# KiCad board SparkFun_Pro_Mini-ESP32_panelized.kicad_pcb (continued)
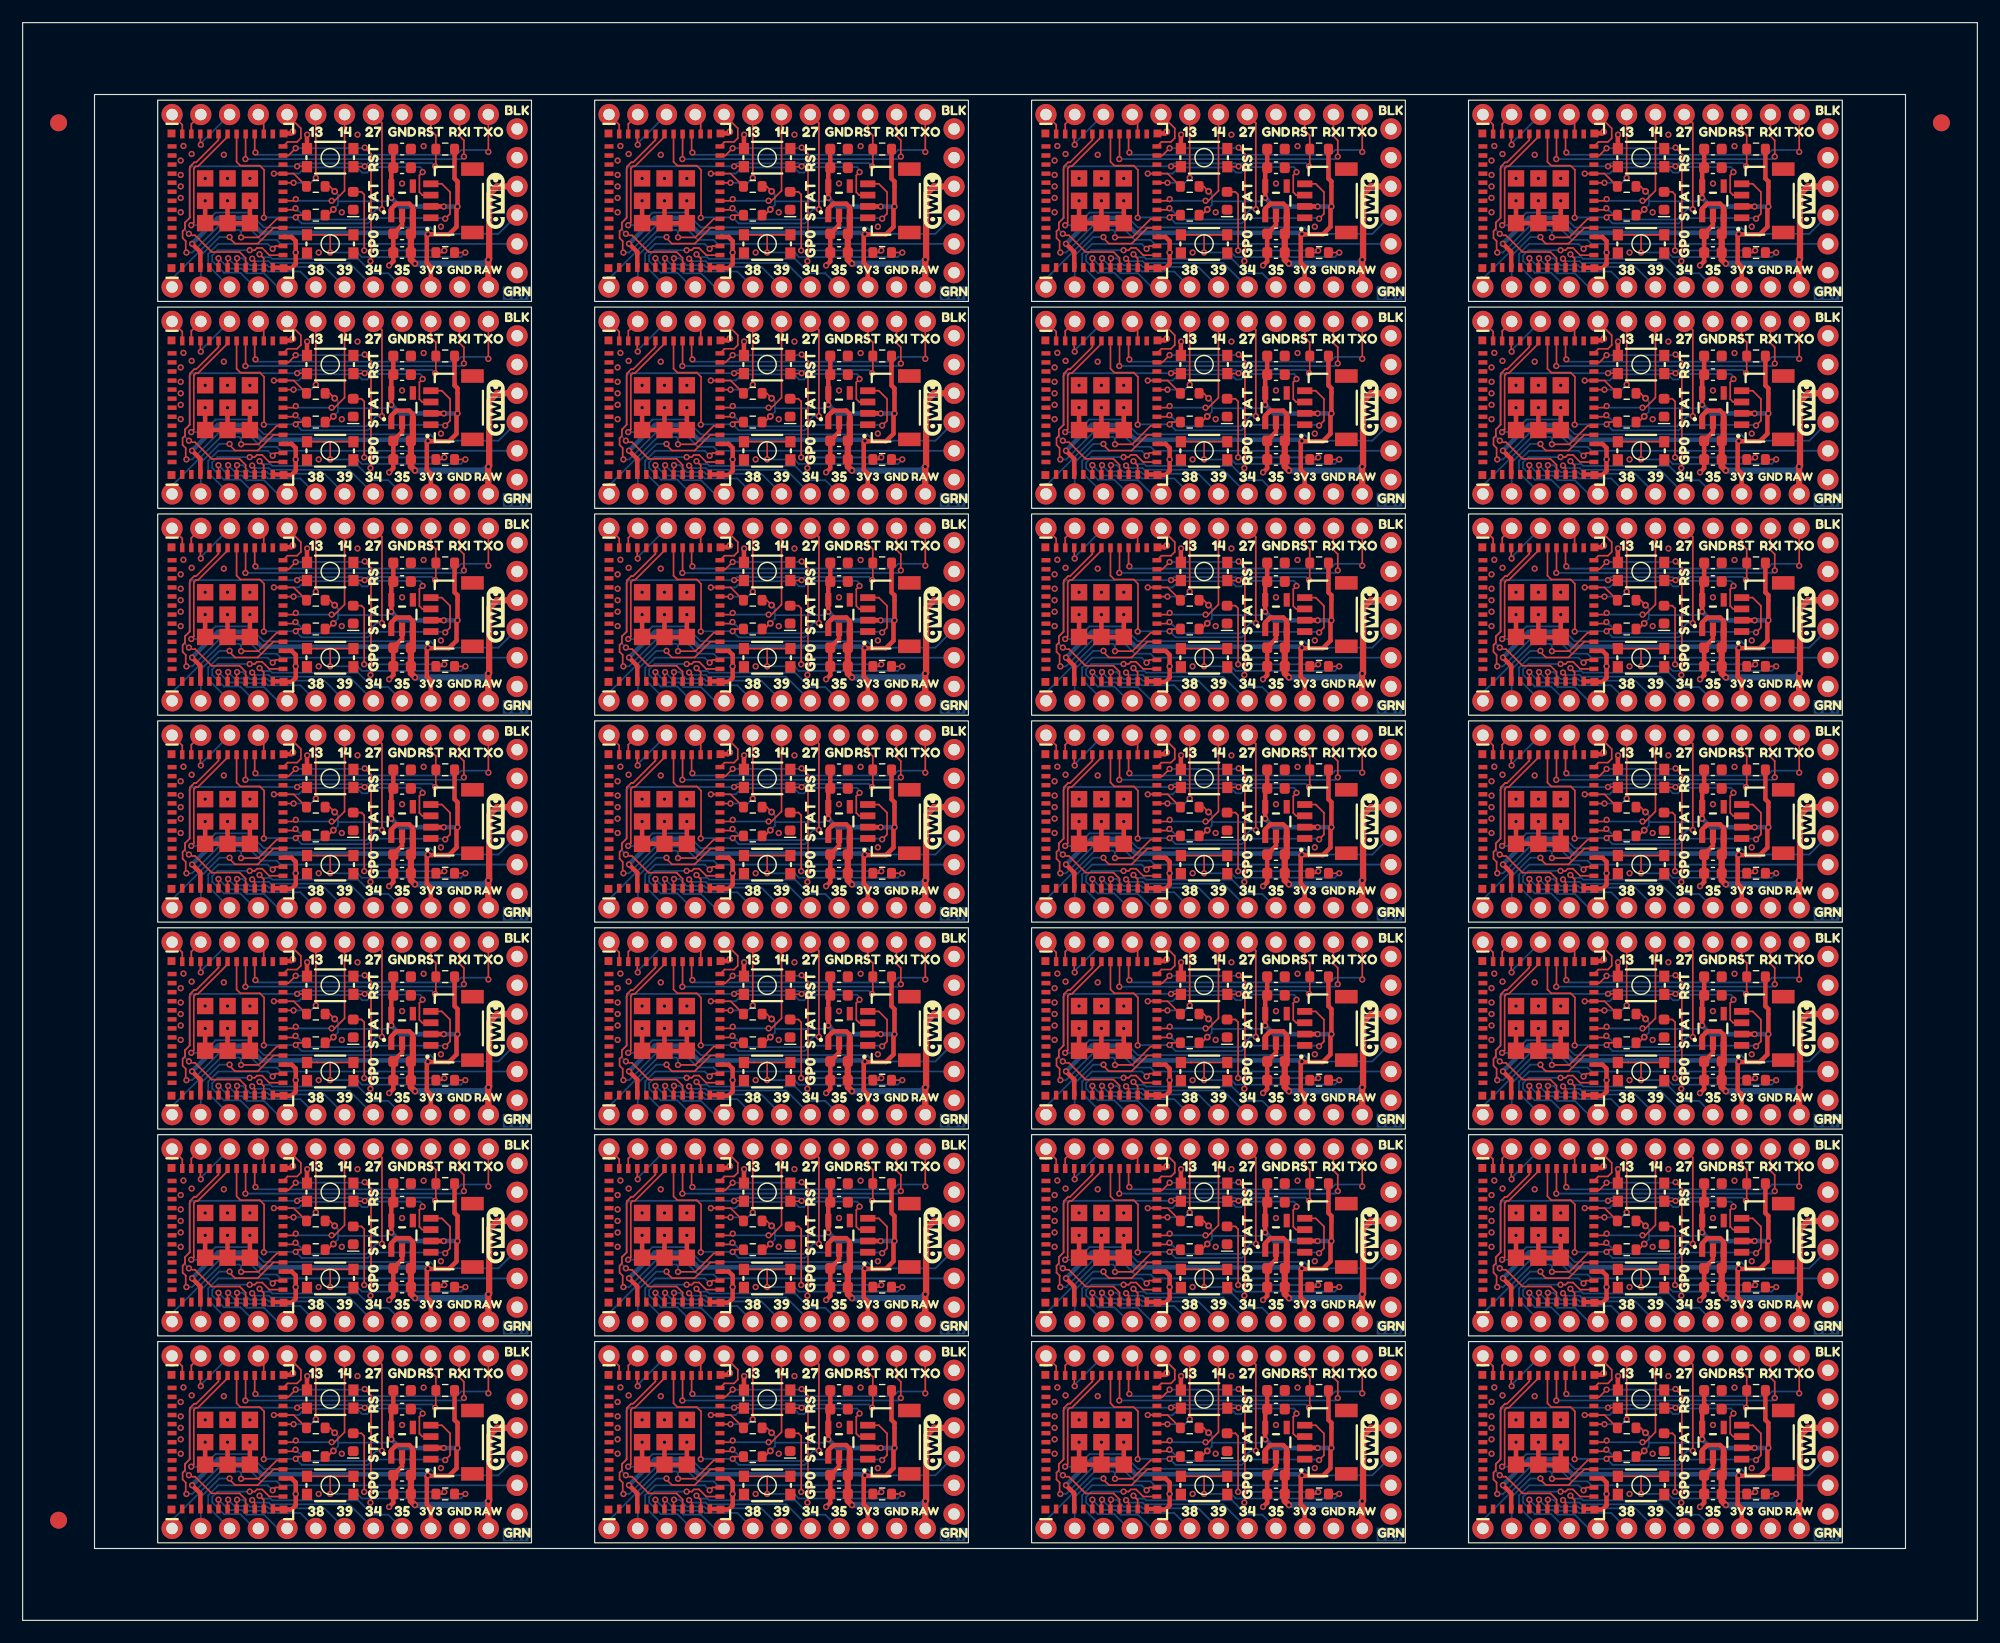
[diagram p0: board, top side]
## Routing (per net, layer and track width the routed paths; a pad name or vN(x,y) marks a point on that pad's centre or on a via; arc(x,y) is an arc through that point) (continued)
VCC: length 717.6
  Top w0.406: U2#6.3 73.07,124.85 72.76,125.17 71.63,125.17 71.45,124.99 71.44,124.99 71.17,124.72 U2#6.1 ; U2#22.3 150.27,124.85 149.96,125.17 148.83,125.17 148.65,124.99 148.64,124.99 148.37,124.72 U2#22.1 ; U2#9.3 150.27,70.01 149.96,70.33 148.83,70.33 148.65,70.15 148.64,70.15 148.37,69.88 U2#9.1 ; U2#15.1 109.77,69.88 110.04,70.15 110.05,70.15 110.23,70.33 111.36,70.33 111.67,70.01 U2#15.3 ; U2#10.3 34.47,15.17 34.16,15.49 33.03,15.49 32.85,15.31 32.84,15.31 32.57,15.04 U2#10.1 ; U2#13.3 34.47,124.85 34.16,125.17 33.03,125.17 32.85,124.99 32.84,124.99 32.57,124.72 U2#13.1 ; U2#8.1 148.37,15.04 148.64,15.31 148.65,15.31 148.83,15.49 149.96,15.49 150.27,15.17 U2#8.3 ; U2#5.3 34.47,70.01 34.16,70.33 33.03,70.33 32.85,70.15 32.84,70.15 32.57,69.88 U2#5.1 ; U2#25.3 34.47,88.29 34.16,88.61 33.03,88.61 32.85,88.43 32.84,88.43 32.57,88.16 U2#25.1 ; U2#11.1 148.37,106.44 148.64,106.71 148.65,106.71 148.83,106.89 149.96,106.89 150.27,106.57 U2#11.3 ; U2#14.3 34.47,106.57 34.16,106.89 33.03,106.89 32.85,106.71 32.84,106.71 32.57,106.44 U2#14.1 ; U2#27.1 148.37,88.16 148.64,88.43 148.65,88.43 148.83,88.61 149.96,88.61 150.27,88.29 U2#27.3 ; U2#2.1 71.17,15.04 71.44,15.31 71.45,15.31 71.63,15.49 72.76,15.49 73.07,15.17 U2#2.3 ; U2#7.3 150.27,51.73 149.96,52.05 148.83,52.05 148.65,51.87 148.64,51.87 148.37,51.6 U2#7.1 ; U2#19.3 111.67,15.17 111.36,15.49 110.23,15.49 110.05,15.31 110.04,15.31 109.77,15.04 U2#19.1 ; U2#20.3 111.67,106.57 111.36,106.89 110.23,106.89 110.05,106.71 110.04,106.71 109.77,106.44 U2#20.1 ; U2#24.1 71.17,88.16 71.44,88.43 71.45,88.43 71.63,88.61 72.76,88.61 73.07,88.29 U2#24.3 ; U2#28.3 150.27,33.45 149.96,33.77 148.83,33.77 148.65,33.59 148.64,33.59 148.37,33.32 U2#28.1 ; U2#21.1 71.17,51.6 71.44,51.87 71.45,51.87 71.63,52.05 72.76,52.05 73.07,51.73 U2#21.3 ; U2#3.1 71.17,106.44 71.44,106.71 71.45,106.71 71.63,106.89 72.76,106.89 73.07,106.57 U2#3.3 ; U2#18.1 109.77,51.6 110.04,51.87 110.05,51.87 110.23,52.05 111.36,52.05 111.67,51.73 U2#18.3 ; U2#26.3 73.07,33.45 72.76,33.77 71.63,33.77 71.45,33.59 71.44,33.59 71.17,33.32 U2#26.1 ; U2#4.1 109.77,33.32 110.04,33.59 110.05,33.59 110.23,33.77 111.36,33.77 111.67,33.45 U2#4.3 ; U2#17.3 111.67,124.85 111.36,125.17 110.23,125.17 110.05,124.99 110.04,124.99 109.77,124.72 U2#17.1 ; U2#12.3 73.07,70.01 72.76,70.33 71.63,70.33 71.45,70.15 71.44,70.15 71.17,69.88 U2#12.1 ; U2.1 109.77,88.16 110.04,88.43 110.05,88.43 110.23,88.61 111.36,88.61 111.67,88.29 U2.3 ; U2#16.3 34.47,33.45 34.16,33.77 33.03,33.77 32.85,33.59 32.84,33.59 32.57,33.32 U2#16.1 ; U2#23.3 34.47,51.73 34.16,52.05 33.03,52.05 32.85,51.87 32.84,51.87 32.57,51.6 U2#23.1
  Top w0.559: U2#22.3 150.27,122.67 C1#4.1 C2#8.1 150.09,120.24 v2(150.46,119.87) ; v2(34.66,46.75) 34.3,47.12 C2#12.1 C1#18.1 34.47,49.55 U2#23.3 ; J2#9.12 v2(41.14,47.09) 41.21,47.17 41.21,52.88 41.9,53.57 J1#3.4 ; U2#25.3 34.47,86.11 C1#17.1 C2#2.1 34.3,83.68 v2(34.66,83.31) ; v2(34.66,65.03) 34.3,65.4 C2#4.1 C1#27.1 34.47,67.83 U2#5.3 ; U2#6.3 73.07,122.67 C1.1 C2#14.1 72.89,120.24 v2(73.26,119.87) ; U2#14.3 34.47,104.39 C1#13.1 C2#25.1 34.3,101.96 v2(34.66,101.59) ; v2(73.26,10.19) 72.89,10.56 C2#13.1 C1#11.1 73.07,12.99 U2#2.3 ; U2#27.3 150.27,86.11 C1#20.1 C2#26.1 150.09,83.68 v2(150.46,83.31) ; J2#18.12 v2(118.34,47.09) 118.41,47.17 118.41,52.88 119.1,53.57 J1#14.4 ; J1#24.4 119.1,35.29 118.41,34.6 118.41,28.89 v2(118.34,28.81) J2.12 ; J1#10.4 119.1,126.69 118.41,126 118.41,120.29 v2(118.34,120.21) J2#17.12 ; J1#19.4 157.7,71.85 157.01,71.16 157.01,65.45 v2(156.94,65.37) J2#3.12 ; v2(34.66,119.87) 34.3,120.24 C2#5.1 C1#24.1 34.47,122.67 U2#13.3 ; J1#15.4 157.7,53.57 157.01,52.88 157.01,47.17 v2(156.94,47.09) J2#13.12 ; v2(73.26,28.47) 72.89,28.84 C2#16.1 C1#14.1 73.07,31.27 U2#26.3 ; J1#6.4 80.5,90.13 79.81,89.44 79.81,83.73 v2(79.74,83.65) J2#21.12 ; J2#2.12 v2(79.74,28.81) 79.81,28.89 79.81,34.6 80.5,35.29 J1.4 ; U2#24.3 73.07,86.11 C1#23.1 C2#20.1 72.89,83.68 v2(73.26,83.31) ; U2#10.3 34.47,12.99 C1#10.1 C2#23.1 34.3,10.56 v2(34.66,10.19) ; v2(73.26,46.75) 72.89,47.12 C2#10.1 C1#19.1 73.07,49.55 U2#21.3 ; J1#25.4 80.5,71.85 79.81,71.16 79.81,65.45 v2(79.74,65.37) J2#25.12 ; v2(73.26,101.59) 72.89,101.96 C2#15.1 C1#15.1 73.07,104.39 U2#3.3 ; J1#12.4 80.5,53.57 79.81,52.88 79.81,47.17 v2(79.74,47.09) J2#23.12 ; J1#16.4 157.7,17.01 157.01,16.32 157.01,10.61 v2(156.94,10.53) J2#10.12 ; J2#11.12 v2(41.14,83.65) 41.21,83.73 41.21,89.44 41.9,90.13 J1#20.4 ; U2#19.3 111.67,12.99 111.49,12.82 111.49,10.56 v2(111.86,10.19) ; J2#28.12 v2(156.94,83.65) 157.01,83.73 157.01,89.44 157.7,90.13 J1#17.4 ; J2#8.12 v2(79.74,10.53) 79.81,10.61 79.81,16.32 80.5,17.01 J1#5.4 ; v2(111.86,119.87) 111.49,120.24 111.49,122.5 111.67,122.67 U2#17.3 ; v2(150.46,10.19) 150.09,10.56 C2#18.1 C1#6.1 150.27,12.99 U2#8.3 ; U2.3 111.67,86.11 111.49,85.94 111.49,83.68 v2(111.86,83.31) ; U2#18.3 111.67,49.55 111.49,49.38 111.49,47.12 v2(111.86,46.75) ; v2(111.86,28.47) 111.49,28.84 111.49,31.1 111.67,31.27 U2#4.3 ; U2#28.3 150.27,31.27 C1#8.1 C2#22.1 150.09,28.84 v2(150.46,28.47) ; J2#24.12 v2(118.34,101.93) 118.41,102.01 118.41,107.72 119.1,108.41 J1#13.4 ; J1#7.4 157.7,126.69 157.01,126 157.01,120.29 v2(156.94,120.21) J2#26.12 ; J1#27.4 41.9,71.85 41.21,71.16 41.21,65.45 v2(41.14,65.37) J2#22.12 ; J1#22.4 119.1,90.13 118.41,89.44 118.41,83.73 v2(118.34,83.65) J2#16.12 ; J2#7.12 v2(41.14,101.93) 41.21,102.01 41.21,107.72 41.9,108.41 J1#4.4 ; J2#5.12 v2(118.34,10.53) 118.41,10.61 118.41,16.32 119.1,17.01 J1#18.4 ; J2#4.12 v2(79.74,120.21) 79.81,120.29 79.81,126 80.5,126.69 J1#23.4 ; U2#7.3 150.27,49.55 C1#5.1 C2#9.1 150.09,47.12 v2(150.46,46.75) ; J2#15.12 v2(41.14,28.81) 41.21,28.89 41.21,34.6 41.9,35.29 J1#8.4 ; v2(111.86,65.03) 111.49,65.4 111.49,67.66 111.67,67.83 U2#15.3 ; J2#19.12 v2(79.74,101.93) 79.81,102.01 79.81,107.72 80.5,108.41 J1#9.4 ; J2#6.12 v2(41.14,120.21) 41.21,120.29 41.21,126 41.9,126.69 J1#21.4 ; J2#12.12 v2(156.94,28.81) 157.01,28.89 157.01,34.6 157.7,35.29 J1#26.4 ; J1#28.4 119.1,71.85 118.41,71.16 118.41,65.45 v2(118.34,65.37) J2#14.12 ; v2(150.46,101.59) 150.09,101.96 C2#6.1 C1#2.1 150.27,104.39 U2#11.3 ; v2(73.26,65.03) 72.89,65.4 C2#17.1 C1#7.1 73.07,67.83 U2#12.3 ; v2(150.46,65.03) 150.09,65.4 C2#28.1 C1#26.1 150.27,67.83 U2#9.3 ; J1#11.4 41.9,17.01 41.21,16.32 41.21,10.61 v2(41.14,10.53) J2#20.12 ; v2(111.86,101.59) 111.49,101.96 111.49,104.22 111.67,104.39 U2#20.3 ; v2(34.66,28.47) 34.3,28.84 C2#24.1 C1#22.1 34.47,31.27 U2#16.3 ; J2#27.12 v2(156.94,101.93) 157.01,102.01 157.01,107.72 157.7,108.41 J1#2.4
  Bottom w0.559: v2(118.34,65.37) 117.99,65.03 v2(111.86,65.03) ; v2(156.94,120.21) 156.59,119.87 v2(150.46,119.87) ; v2(150.46,10.19) 156.59,10.19 v2(156.94,10.53) ; v2(73.26,83.31) 79.39,83.31 v2(79.74,83.65) ; v2(41.14,83.65) 40.8,83.31 v2(34.66,83.31) ; v2(73.26,10.19) 79.39,10.19 v2(79.74,10.53) ; v2(156.94,65.37) 156.59,65.03 v2(150.46,65.03) ; v2(111.86,119.87) 117.99,119.87 v2(118.34,120.21) ; v2(111.86,101.59) 117.99,101.59 v2(118.34,101.93) ; v2(73.26,28.47) 79.39,28.47 v2(79.74,28.81) ; v2(111.86,46.75) 117.99,46.75 v2(118.34,47.09) ; v2(150.46,46.75) 156.59,46.75 v2(156.94,47.09) ; v2(34.66,10.19) 40.8,10.19 v2(41.14,10.53) ; v2(150.46,101.59) 156.59,101.59 v2(156.94,101.93) ; v2(150.46,28.47) 156.59,28.47 v2(156.94,28.81) ; v2(118.34,10.53) 117.99,10.19 v2(111.86,10.19) ; v2(118.34,83.65) 117.99,83.31 v2(111.86,83.31) ; v2(41.14,47.09) 40.8,46.75 v2(34.66,46.75) ; v2(79.74,101.93) 79.39,101.59 v2(73.26,101.59) ; v2(34.66,65.03) 40.8,65.03 v2(41.14,65.37) ; v2(79.74,47.09) 79.39,46.75 v2(73.26,46.75) ; v2(34.66,101.59) 40.8,101.59 v2(41.14,101.93) ; v2(34.66,119.87) 40.8,119.87 v2(41.14,120.21) ; v2(150.46,83.31) 156.59,83.31 v2(156.94,83.65) ; v2(73.26,119.87) 79.39,119.87 v2(79.74,120.21) ; v2(41.14,28.81) 40.8,28.47 v2(34.66,28.47) ; v2(111.86,28.47) 117.99,28.47 v2(118.34,28.81) ; v2(79.74,65.37) 79.39,65.03 v2(73.26,65.03)
ESP_0/STAT: length 1037.8
  Top w0.152: v2(69.33,46.97) 69.37,47.01 69.37,56.44 v2(68.82,57) ; U1#18.23 23.48,129.42 v2(24.12,130.06) ; R2#23.1 v2(116.31,84.29) ; v2(146.02,38.72) 146.57,38.16 146.57,28.73 v2(146.53,28.69) ; R2#16.1 v2(154.91,66.01) ; SW2#16.1 142.97,31.01 ; 142.97,31.01 SW2#16.1 ; 142.97,31.01 v2(142.97,29.45) ; 104.37,67.57 SW2#7.1 ; 104.37,67.57 SW2#7.1 ; 104.37,67.57 v2(104.37,66.01) ; SW2#8.1 104.37,31.01 ; 104.37,31.01 SW2#8.1 ; 104.37,31.01 v2(104.37,29.45) ; v2(107.93,65.25) 107.97,65.29 107.97,74.72 v2(107.42,75.28) ; v2(30.73,46.97) 30.77,47.01 30.77,56.44 v2(30.22,57) ; SW2#13.1 27.17,122.41 ; v2(68.82,20.44) 69.37,19.88 69.37,10.45 v2(69.33,10.41) ; SW2#12.1 27.17,85.85 ; v2(30.73,120.09) 30.77,120.13 30.77,129.56 v2(30.22,130.12) ; v2(146.53,83.53) 146.57,83.57 146.57,93 v2(146.02,93.56) ; v2(65.77,47.73) 65.77,49.29 ; 65.77,49.29 SW2#18.1 ; 65.77,49.29 SW2#18.1 ; v2(139.92,111.78) 139.28,111.14 U1#19.23 ; v2(27.17,11.17) 27.17,12.73 ; 27.17,12.73 SW2#15.1 ; 27.17,12.73 SW2#15.1 ; v2(107.93,28.69) 107.97,28.73 107.97,38.16 v2(107.42,38.72) ; v2(107.42,20.44) 107.97,19.88 107.97,10.45 v2(107.93,10.41) ; R2#14.1 v2(154.91,120.85) ; v2(101.32,93.5) 100.68,92.86 U1#13.23 ; U1#22.23 100.68,19.74 v2(101.32,20.38) ; v2(142.97,120.85) 142.97,122.41 ; 142.97,122.41 SW2#23.1 ; 142.97,122.41 SW2#23.1 ; v2(142.97,84.29) 142.97,85.85 ; 142.97,85.85 SW2#10.1 ; 142.97,85.85 SW2#10.1 ; SW2#4.1 104.37,85.85 ; 104.37,85.85 v2(104.37,84.29) ; 104.37,85.85 SW2#4.1 ; v2(30.73,10.41) 30.77,10.45 30.77,19.88 v2(30.22,20.44) ; SW2#20.1 104.37,12.73 ; U1#28.23 23.48,56.3 v2(24.12,56.94) ; U1#7.23 139.28,56.3 v2(139.92,56.94) ; v2(101.32,111.78) 100.68,111.14 U1#11.23 ; R2#22.1 v2(116.31,29.45) ; v2(65.77,120.85) 65.77,122.41 ; 65.77,122.41 SW2#19.1 ; 65.77,122.41 SW2#19.1 ; U1#14.23 100.68,129.42 v2(101.32,130.06) ; v2(142.97,102.57) 142.97,104.13 ; 142.97,104.13 SW2#6.1 ; 142.97,104.13 SW2#6.1 ; v2(139.92,130.06) 139.28,129.42 U1#9.23 ; U1#10.23 100.68,74.58 v2(101.32,75.22) ; R2#9.1 v2(77.71,47.73) ; 27.17,67.57 SW2#27.1 ; 27.17,67.57 SW2#27.1 ; 27.17,67.57 v2(27.17,66.01) ; R2#28.1 v2(39.11,66.01) ; SW2#11.1 104.37,122.41 ; 104.37,122.41 SW2#11.1 ; 104.37,122.41 v2(104.37,120.85) ; v2(62.72,56.94) 62.08,56.3 U1#20.23 ; v2(107.93,83.53) 107.97,83.57 107.97,93 v2(107.42,93.56) ; 142.97,49.29 SW2#3.1 ; 142.97,49.29 v2(142.97,47.73) ; 142.97,49.29 SW2#3.1 ; 27.17,31.01 SW2#28.1 ; 27.17,31.01 v2(27.17,29.45) ; 27.17,31.01 SW2#28.1 ; U1#21.23 62.08,111.14 v2(62.72,111.78) ; U1#26.23 139.28,19.74 v2(139.92,20.38) ; SW2#24.1 142.97,67.57 ; 142.97,67.57 v2(142.97,66.01) ; 142.97,67.57 SW2#24.1 ; R2.1 v2(77.71,11.17) ; v2(146.02,75.28) 146.57,74.72 146.57,65.29 v2(146.53,65.25) ; R2#17.1 v2(77.71,84.29) ; R2#24.1 v2(39.11,84.29) ; v2(30.22,38.72) 30.77,38.16 30.77,28.73 v2(30.73,28.69) ; R2#6.1 v2(116.31,66.01) ; R2#26.1 v2(154.91,11.17) ; v2(68.82,75.28) 69.37,74.72 69.37,65.29 v2(69.33,65.25) ; SW2#20.1 104.37,12.73 ; 104.37,12.73 v2(104.37,11.17) ; 27.17,104.13 SW2#5.1 ; 27.17,104.13 v2(27.17,102.57) ; 27.17,104.13 SW2#5.1 ; R2#2.1 v2(39.11,29.45) ; 65.77,12.73 SW2#21.1 ; 65.77,12.73 v2(65.77,11.17) ; 65.77,12.73 SW2#21.1 ; 65.77,31.01 SW2#9.1 ; 65.77,31.01 SW2#9.1 ; 65.77,31.01 v2(65.77,29.45) ; 65.77,67.57 SW2#14.1 ; 65.77,67.57 SW2#14.1 ; 65.77,67.57 v2(65.77,66.01) ; v2(107.42,130.12) 107.97,129.56 107.97,120.13 v2(107.93,120.09) ; U1#16.23 62.08,92.86 v2(62.72,93.5) ; U1#8.23 100.68,38.02 v2(101.32,38.66) ; v2(146.53,10.41) 146.57,10.45 146.57,19.88 v2(146.02,20.44) ; R2#10.1 v2(77.71,120.85) ; SW2#12.1 27.17,85.85 ; 27.17,85.85 v2(27.17,84.29) ; SW2#25.1 142.97,12.73 ; 142.97,12.73 SW2#25.1 ; 142.97,12.73 v2(142.97,11.17) ; 65.77,104.13 SW2#22.1 ; 65.77,104.13 v2(65.77,102.57) ; 65.77,104.13 SW2#22.1 ; SW2#26.1 104.37,49.29 ; 104.37,49.29 SW2#26.1 ; 104.37,49.29 v2(104.37,47.73) ; R2#13.1 v2(154.91,102.57) ; v2(146.53,101.81) 146.57,101.85 146.57,111.28 v2(146.02,111.84) ; v2(65.77,84.29) 65.77,85.85 ; 65.77,85.85 SW2.1 ; 65.77,85.85 SW2.1 ; v2(62.72,38.66) 62.08,38.02 U1#17.23 ; v2(30.73,65.25) 30.77,65.29 30.77,74.72 v2(30.22,75.28) ; v2(139.92,38.66) 139.28,38.02 U1#27.23 ; v2(62.72,20.38) 62.08,19.74 U1#4.23 ; U1#24.23 23.48,74.58 v2(24.12,75.22) ; SW2#17.1 104.37,104.13 ; 104.37,104.13 v2(104.37,102.57) ; 104.37,104.13 SW2#17.1 ; U1#5.23 100.68,56.3 v2(101.32,56.94) ; v2(24.12,111.78) 23.48,111.14 U1#6.23 ; v2(24.12,20.38) 23.48,19.74 U1.23 ; R2#20.1 v2(154.91,47.73) ; v2(146.02,130.12) 146.57,129.56 146.57,120.13 v2(146.53,120.09) ; v2(68.82,130.12) 69.37,129.56 69.37,120.13 v2(69.33,120.09) ; 27.17,122.41 SW2#13.1 ; 27.17,122.41 v2(27.17,120.85) ; v2(30.22,93.56) 30.77,93 30.77,83.57 v2(30.73,83.53) ; 27.17,49.29 SW2#2.1 ; 27.17,49.29 v2(27.17,47.73) ; 27.17,49.29 SW2#2.1 ; R2#21.1 v2(116.31,11.17) ; v2(68.82,93.56) 69.37,93 69.37,83.57 v2(69.33,83.53) ; R2#4.1 v2(39.11,11.17) ; v2(24.12,93.5) 23.48,92.86 U1#25.23 ; v2(68.82,38.72) 69.37,38.16 69.37,28.73 v2(69.33,28.69) ; R2#25.1 v2(77.71,66.01) ; U1#2.23 23.48,38.02 v2(24.12,38.66) ; R2#3.1 v2(154.91,84.29) ; U1#3.23 139.28,92.86 v2(139.92,93.5) ; v2(68.82,111.84) 69.37,111.28 69.37,101.85 v2(69.33,101.81) ; v2(146.53,46.97) 146.57,47.01 146.57,56.44 v2(146.02,57) ; v2(139.92,75.22) 139.28,74.58 U1#12.23 ; v2(62.72,75.22) 62.08,74.58 U1#15.23 ; R2#8.1 v2(116.31,47.73) ; v2(107.93,46.97) 107.97,47.01 107.97,56.44 v2(107.42,57) ; v2(107.42,111.84) 107.97,111.28 107.97,101.85 v2(107.93,101.81) ; R2#19.1 v2(77.71,102.57) ; v2(30.22,111.84) 30.77,111.28 30.77,101.85 v2(30.73,101.81) ; R2#15.1 v2(116.31,120.85) ; U1#23.23 62.08,129.42 v2(62.72,130.06) ; R2#5.1 v2(77.71,29.45) ; R2#12.1 v2(39.11,120.85) ; R2#11.1 v2(116.31,102.57) ; R2#18.1 v2(39.11,102.57) ; R2#7.1 v2(39.11,47.73) ; R2#27.1 v2(154.91,29.45)
  Bottom w0.152: v2(62.72,38.66) 68.76,38.66 v2(68.82,38.72) ; v2(77.71,120.85) 77.31,120.45 69.33,120.45 ; v2(146.53,83.53) 146.53,83.89 ; 146.53,83.89 154.51,83.89 v2(154.91,84.29) ; 146.53,83.89 145.77,83.89 145.42,84.24 145.42,84.29 v2(142.97,84.29) ; v2(107.93,120.09) 107.93,120.45 ; 107.93,120.45 107.17,120.45 106.82,120.8 106.82,120.85 v2(104.37,120.85) ; 107.93,120.45 115.91,120.45 v2(116.31,120.85) ; v2(69.33,10.41) 69.33,10.77 ; 69.33,10.77 68.57,10.77 68.22,11.12 68.22,11.17 v2(65.77,11.17) ; 69.33,10.77 77.31,10.77 v2(77.71,11.17) ; 107.93,10.77 115.91,10.77 v2(116.31,11.17) ; 107.93,10.77 v2(107.93,10.41) ; 107.93,10.77 107.17,10.77 106.82,11.12 106.82,11.17 v2(104.37,11.17) ; v2(24.12,93.5) 30.16,93.5 v2(30.22,93.56) ; v2(68.82,93.56) 68.76,93.5 v2(62.72,93.5) ; v2(65.77,29.45) 68.22,29.45 68.22,29.4 68.57,29.05 69.33,29.05 ; 107.93,65.61 107.17,65.61 106.82,65.96 106.82,66.01 v2(104.37,66.01) ; 107.93,65.61 v2(107.93,65.25) ; 107.93,65.61 115.91,65.61 v2(116.31,66.01) ; 146.53,10.77 154.51,10.77 v2(154.91,11.17) ; 146.53,10.77 145.77,10.77 145.42,11.12 145.42,11.17 v2(142.97,11.17) ; 146.53,10.77 v2(146.53,10.41) ; 30.73,83.89 29.97,83.89 29.62,84.24 29.62,84.29 v2(27.17,84.29) ; 30.73,83.89 v2(30.73,83.53) ; 30.73,83.89 38.71,83.89 v2(39.11,84.29) ; v2(101.32,75.22) 107.36,75.22 v2(107.42,75.28) ; 69.33,120.45 68.57,120.45 68.22,120.8 68.22,120.85 v2(65.77,120.85) ; 69.33,120.45 v2(69.33,120.09) ; v2(116.31,102.57) 115.91,102.17 107.93,102.17 ; v2(142.97,102.57) 145.42,102.57 145.42,102.52 145.77,102.17 146.53,102.17 ; v2(104.37,47.73) 106.82,47.73 106.82,47.68 107.17,47.33 107.93,47.33 ; v2(77.71,66.01) 77.31,65.61 69.33,65.61 ; v2(116.31,47.73) 115.91,47.33 107.93,47.33 ; v2(139.92,111.78) 145.96,111.78 v2(146.02,111.84) ; 69.33,65.61 v2(69.33,65.25) ; 69.33,65.61 68.57,65.61 68.22,65.96 68.22,66.01 v2(65.77,66.01) ; v2(107.93,46.97) 107.93,47.33 ; 30.73,29.05 29.97,29.05 29.62,29.4 29.62,29.45 v2(27.17,29.45) ; 30.73,29.05 38.71,29.05 v2(39.11,29.45) ; 30.73,29.05 v2(30.73,28.69) ; v2(107.42,111.84) 107.36,111.78 v2(101.32,111.78) ; v2(139.92,93.5) 145.96,93.5 v2(146.02,93.56) ; v2(146.02,38.72) 145.96,38.66 v2(139.92,38.66) ; v2(39.11,47.73) 38.71,47.33 30.73,47.33 ; 107.93,83.89 115.91,83.89 v2(116.31,84.29) ; 107.93,83.89 v2(107.93,83.53) ; 107.93,83.89 107.17,83.89 106.82,84.24 106.82,84.29 v2(104.37,84.29) ; v2(62.72,130.06) 68.76,130.06 v2(68.82,130.12) ; v2(69.33,28.69) 69.33,29.05 ; 69.33,29.05 77.31,29.05 v2(77.71,29.45) ; v2(139.92,75.22) 145.96,75.22 v2(146.02,75.28) ; v2(146.02,130.12) 145.96,130.06 v2(139.92,130.06) ; 146.53,120.45 154.51,120.45 v2(154.91,120.85) ; 146.53,120.45 145.77,120.45 145.42,120.8 145.42,120.85 v2(142.97,120.85) ; 146.53,120.45 v2(146.53,120.09) ; v2(154.91,102.57) 154.51,102.17 146.53,102.17 ; v2(30.22,75.28) 30.16,75.22 v2(24.12,75.22) ; 146.53,102.17 v2(146.53,101.81) ; v2(101.32,38.66) 107.36,38.66 v2(107.42,38.72) ; v2(27.17,11.17) 29.62,11.17 29.62,11.12 29.97,10.77 30.73,10.77 ; 146.53,29.05 145.77,29.05 145.42,29.4 145.42,29.45 v2(142.97,29.45) ; 146.53,29.05 154.51,29.05 v2(154.91,29.45) ; 146.53,29.05 v2(146.53,28.69) ; 146.53,65.61 145.77,65.61 145.42,65.96 145.42,66.01 v2(142.97,66.01) ; 146.53,65.61 154.51,65.61 v2(154.91,66.01) ; 146.53,65.61 v2(146.53,65.25) ; v2(27.17,66.01) 29.62,66.01 29.62,65.96 29.97,65.61 30.73,65.61 ; v2(104.37,102.57) 106.82,102.57 106.82,102.52 107.17,102.17 107.93,102.17 ; v2(30.22,20.44) 30.16,20.38 v2(24.12,20.38) ; v2(142.97,47.73) 145.42,47.73 145.42,47.68 145.77,47.33 146.53,47.33 ; v2(62.72,56.94) 68.76,56.94 v2(68.82,57) ; v2(139.92,20.38) 145.96,20.38 v2(146.02,20.44) ; v2(146.02,57) 145.96,56.94 v2(139.92,56.94) ; 30.73,47.33 29.97,47.33 29.62,47.68 29.62,47.73 v2(27.17,47.73) ; 30.73,47.33 v2(30.73,46.97) ; v2(30.73,65.25) 30.73,65.61 ; 30.73,65.61 38.71,65.61 v2(39.11,66.01) ; v2(39.11,11.17) 38.71,10.77 30.73,10.77 ; v2(107.93,28.69) 107.93,29.05 ; 107.93,29.05 107.17,29.05 106.82,29.4 106.82,29.45 v2(104.37,29.45) ; 107.93,29.05 115.91,29.05 v2(116.31,29.45) ; v2(30.22,57) 30.16,56.94 v2(24.12,56.94) ; v2(24.12,111.78) 30.16,111.78 v2(30.22,111.84) ; 30.73,10.77 v2(30.73,10.41) ; 30.73,102.17 38.71,102.17 v2(39.11,102.57) ; 30.73,102.17 v2(30.73,101.81) ; 30.73,102.17 29.97,102.17 29.62,102.52 29.62,102.57 v2(27.17,102.57) ; 30.73,120.45 29.97,120.45 29.62,120.8 29.62,120.85 v2(27.17,120.85) ; 30.73,120.45 38.71,120.45 v2(39.11,120.85) ; 30.73,120.45 v2(30.73,120.09) ; 69.33,47.33 68.57,47.33 68.22,47.68 68.22,47.73 v2(65.77,47.73) ; 69.33,47.33 v2(69.33,46.97) ; 69.33,47.33 77.31,47.33 v2(77.71,47.73) ; 146.53,47.33 154.51,47.33 v2(154.91,47.73) ; 146.53,47.33 v2(146.53,46.97) ; v2(62.72,75.22) 68.76,75.22 v2(68.82,75.28) ; v2(68.82,111.84) 68.76,111.78 v2(62.72,111.78) ; v2(107.42,20.44) 107.36,20.38 v2(101.32,20.38) ; v2(65.77,102.57) 68.22,102.57 68.22,102.52 68.57,102.17 69.33,102.17 ; v2(101.32,56.94) 107.36,56.94 v2(107.42,57) ; v2(30.22,38.72) 30.16,38.66 v2(24.12,38.66) ; v2(101.32,93.5) 107.36,93.5 v2(107.42,93.56) ; 69.33,83.89 77.31,83.89 v2(77.71,84.29) ; 69.33,83.89 v2(69.33,83.53) ; 69.33,83.89 68.57,83.89 68.22,84.24 68.22,84.29 v2(65.77,84.29) ; v2(107.42,130.12) 107.36,130.06 v2(101.32,130.06) ; v2(24.12,130.06) 30.16,130.06 v2(30.22,130.12) ; v2(62.72,20.38) 68.76,20.38 v2(68.82,20.44) ; 69.33,102.17 77.31,102.17 v2(77.71,102.57) ; 69.33,102.17 v2(69.33,101.81) ; 107.93,102.17 v2(107.93,101.81)
ESP_1/TX: length 1200
  Top w0.152: v2(53.07,11.17) 53.01,11.23 53.01,12.17 52.73,12.45 52.73,13.05 52.94,13.26 52.94,13.81 53.37,14.24 53.37,18.75 53.76,19.14 53.93,19.14 55.9,21.11 U1#4.31 ; v2(14.47,47.73) 14.41,47.79 14.41,48.73 14.13,49.01 14.13,49.61 14.34,49.82 14.34,50.37 14.77,50.8 14.77,55.31 15.16,55.7 15.33,55.7 17.3,57.67 U1#28.31 ; U1#9.31 133.1,130.79 131.13,128.82 130.96,128.82 130.57,128.43 130.57,123.92 130.14,123.49 130.14,122.94 129.93,122.73 129.93,122.13 130.21,121.85 130.21,120.91 v2(130.27,120.85) ; U1#22.31 94.5,21.11 92.53,19.14 92.36,19.14 91.97,18.75 91.97,14.24 91.54,13.81 91.54,13.26 91.33,13.05 91.33,12.45 91.61,12.17 91.61,11.23 v2(91.67,11.17) ; v2(91.67,66.01) 91.61,66.07 91.61,67.01 91.33,67.29 91.33,67.89 91.54,68.1 91.54,68.65 91.97,69.08 91.97,73.59 92.36,73.98 92.53,73.98 94.5,75.95 U1#10.31 ; U1#16.31 55.9,94.23 53.93,92.26 53.76,92.26 53.37,91.87 53.37,87.36 52.94,86.93 52.94,86.38 52.73,86.17 52.73,85.57 53.01,85.29 53.01,84.35 v2(53.07,84.29) ; v2(130.27,47.73) 130.21,47.79 130.21,48.73 129.93,49.01 129.93,49.61 130.14,49.82 130.14,50.37 130.57,50.8 130.57,55.31 130.96,55.7 131.13,55.7 133.1,57.67 U1#7.31 ; v2(130.27,66.01) 130.21,66.07 130.21,67.01 129.93,67.29 129.93,67.89 130.14,68.1 130.14,68.65 130.57,69.08 130.57,73.59 130.96,73.98 131.13,73.98 133.1,75.95 U1#12.31 ; v2(91.67,120.85) 91.61,120.91 91.61,121.85 91.33,122.13 91.33,122.73 91.54,122.94 91.54,123.49 91.97,123.92 91.97,128.43 92.36,128.82 92.53,128.82 94.5,130.79 U1#14.31 ; v2(130.27,11.17) 130.21,11.23 130.21,12.17 129.93,12.45 129.93,13.05 130.14,13.26 130.14,13.81 130.57,14.24 130.57,18.75 130.96,19.14 131.13,19.14 133.1,21.11 U1#26.31 ; U1#20.31 55.9,57.67 53.93,55.7 53.76,55.7 53.37,55.31 53.37,50.8 52.94,50.37 52.94,49.82 52.73,49.61 52.73,49.01 53.01,48.73 53.01,47.79 v2(53.07,47.73) ; U1#19.31 133.1,112.51 131.13,110.54 130.96,110.54 130.57,110.15 130.57,105.64 130.14,105.21 130.14,104.66 129.93,104.45 129.93,103.85 130.21,103.57 130.21,102.63 v2(130.27,102.57) ; U1#18.31 17.3,130.79 15.33,128.82 15.16,128.82 14.77,128.43 14.77,123.92 14.34,123.49 14.34,122.94 14.13,122.73 14.13,122.13 14.41,121.85 14.41,120.91 v2(14.47,120.85) ; v2(91.67,84.29) 91.61,84.35 91.61,85.29 91.33,85.57 91.33,86.17 91.54,86.38 91.54,86.93 91.97,87.36 91.97,91.87 92.36,92.26 92.53,92.26 94.5,94.23 U1#13.31 ; U1#21.31 55.9,112.51 53.93,110.54 53.76,110.54 53.37,110.15 53.37,105.64 52.94,105.21 52.94,104.66 52.73,104.45 52.73,103.85 53.01,103.57 53.01,102.63 v2(53.07,102.57) ; U1#23.31 55.9,130.79 53.93,128.82 53.76,128.82 53.37,128.43 53.37,123.92 52.94,123.49 52.94,122.94 52.73,122.73 52.73,122.13 53.01,121.85 53.01,120.91 v2(53.07,120.85) ; U1#6.31 17.3,112.51 15.33,110.54 15.16,110.54 14.77,110.15 14.77,105.64 14.34,105.21 14.34,104.66 14.13,104.45 14.13,103.85 14.41,103.57 14.41,102.63 v2(14.47,102.57) ; U1#27.31 133.1,39.39 131.13,37.42 130.96,37.42 130.57,37.03 130.57,32.52 130.14,32.09 130.14,31.54 129.93,31.33 129.93,30.73 130.21,30.45 130.21,29.51 v2(130.27,29.45) ; v2(14.47,29.45) 14.41,29.51 14.41,30.45 14.13,30.73 14.13,31.33 14.34,31.54 14.34,32.09 14.77,32.52 14.77,37.03 15.16,37.42 15.33,37.42 17.3,39.39 U1#2.31 ; U1#25.31 17.3,94.23 15.33,92.26 15.16,92.26 14.77,91.87 14.77,87.36 14.34,86.93 14.34,86.38 14.13,86.17 14.13,85.57 14.41,85.29 14.41,84.35 v2(14.47,84.29) ; U1#17.31 55.9,39.39 53.93,37.42 53.76,37.42 53.37,37.03 53.37,32.52 52.94,32.09 52.94,31.54 52.73,31.33 52.73,30.73 53.01,30.45 53.01,29.51 v2(53.07,29.45) ; v2(14.47,66.01) 14.41,66.07 14.41,67.01 14.13,67.29 14.13,67.89 14.34,68.1 14.34,68.65 14.77,69.08 14.77,73.59 15.16,73.98 15.33,73.98 17.3,75.95 U1#24.31 ; v2(14.47,11.17) 14.41,11.23 14.41,12.17 14.13,12.45 14.13,13.05 14.34,13.26 14.34,13.81 14.77,14.24 14.77,18.75 15.16,19.14 15.33,19.14 17.3,21.11 U1.31 ; U1#11.31 94.5,112.51 92.53,110.54 92.36,110.54 91.97,110.15 91.97,105.64 91.54,105.21 91.54,104.66 91.33,104.45 91.33,103.85 91.61,103.57 91.61,102.63 v2(91.67,102.57) ; v2(91.67,29.45) 91.61,29.51 91.61,30.45 91.33,30.73 91.33,31.33 91.54,31.54 91.54,32.09 91.97,32.52 91.97,37.03 92.36,37.42 92.53,37.42 94.5,39.39 U1#8.31 ; U1#5.31 94.5,57.67 92.53,55.7 92.36,55.7 91.97,55.31 91.97,50.8 91.54,50.37 91.54,49.82 91.33,49.61 91.33,49.01 91.61,48.73 91.61,47.79 v2(91.67,47.73) ; v2(130.27,84.29) 130.21,84.35 130.21,85.29 129.93,85.57 129.93,86.17 130.14,86.38 130.14,86.93 130.57,87.36 130.57,91.87 130.96,92.26 131.13,92.26 133.1,94.23 U1#3.31 ; v2(53.07,66.01) 53.01,66.07 53.01,67.01 52.73,67.29 52.73,67.89 52.94,68.1 52.94,68.65 53.37,69.08 53.37,73.59 53.76,73.98 53.93,73.98 55.9,75.95 U1#15.31
  Bottom w0.152: J1.2 61.39,30.21 61.04,30.56 59.66,30.56 58.43,31.79 55.92,31.79 53.58,29.45 v2(53.07,29.45) ; v2(53.07,84.29) 53.58,84.29 55.92,86.63 58.43,86.63 59.66,85.4 61.04,85.4 61.39,85.05 J1#6.2 ; J1#11.2 22.79,11.93 22.44,12.28 21.06,12.28 19.83,13.51 17.32,13.51 14.98,11.17 v2(14.47,11.17) ; v2(130.27,11.17) 130.78,11.17 133.12,13.51 135.63,13.51 136.86,12.28 138.24,12.28 138.59,11.93 J1#16.2 ; J1#27.2 22.79,66.77 22.44,67.12 21.06,67.12 19.83,68.35 17.32,68.35 14.98,66.01 v2(14.47,66.01) ; v2(130.27,47.73) 130.78,47.73 133.12,50.07 135.63,50.07 136.86,48.84 138.24,48.84 138.59,48.49 J1#15.2 ; v2(14.47,47.73) 14.98,47.73 17.32,50.07 19.83,50.07 21.06,48.84 22.44,48.84 22.79,48.49 J1#3.2 ; J1#10.2 99.99,121.61 99.64,121.96 98.26,121.96 97.03,123.19 94.52,123.19 92.18,120.85 v2(91.67,120.85) ; J1#18.2 99.99,11.93 99.64,12.28 98.26,12.28 97.03,13.51 94.52,13.51 92.18,11.17 v2(91.67,11.17) ; v2(14.47,84.29) 14.98,84.29 17.32,86.63 19.83,86.63 21.06,85.4 22.44,85.4 22.79,85.05 J1#20.2 ; v2(91.67,47.73) 92.18,47.73 94.52,50.07 97.03,50.07 98.26,48.84 99.64,48.84 99.99,48.49 J1#14.2 ; J1#25.2 61.39,66.77 61.04,67.12 59.66,67.12 58.43,68.35 55.92,68.35 53.58,66.01 v2(53.07,66.01) ; v2(91.67,84.29) 92.18,84.29 94.52,86.63 97.03,86.63 98.26,85.4 99.64,85.4 99.99,85.05 J1#22.2 ; v2(130.27,102.57) 130.78,102.57 133.12,104.91 135.63,104.91 136.86,103.68 138.24,103.68 138.59,103.33 J1#2.2 ; J1#24.2 99.99,30.21 99.64,30.56 98.26,30.56 97.03,31.79 94.52,31.79 92.18,29.45 v2(91.67,29.45) ; J1#9.2 61.39,103.33 61.04,103.68 59.66,103.68 58.43,104.91 55.92,104.91 53.58,102.57 v2(53.07,102.57) ; J1#28.2 99.99,66.77 99.64,67.12 98.26,67.12 97.03,68.35 94.52,68.35 92.18,66.01 v2(91.67,66.01) ; J1#12.2 61.39,48.49 61.04,48.84 59.66,48.84 58.43,50.07 55.92,50.07 53.58,47.73 v2(53.07,47.73) ; v2(53.07,120.85) 53.58,120.85 55.92,123.19 58.43,123.19 59.66,121.96 61.04,121.96 61.39,121.61 J1#23.2 ; v2(14.47,120.85) 14.98,120.85 17.32,123.19 19.83,123.19 21.06,121.96 22.44,121.96 22.79,121.61 J1#21.2 ; J1#5.2 61.39,11.93 61.04,12.28 59.66,12.28 58.43,13.51 55.92,13.51 53.58,11.17 v2(53.07,11.17) ; v2(14.47,102.57) 14.98,102.57 17.32,104.91 19.83,104.91 21.06,103.68 22.44,103.68 22.79,103.33 J1#4.2 ; J1#8.2 22.79,30.21 22.44,30.56 21.06,30.56 19.83,31.79 17.32,31.79 14.98,29.45 v2(14.47,29.45) ; J1#7.2 138.59,121.61 138.24,121.96 136.86,121.96 135.63,123.19 133.12,123.19 130.78,120.85 v2(130.27,120.85) ; v2(130.27,29.45) 130.78,29.45 133.12,31.79 135.63,31.79 136.86,30.56 138.24,30.56 138.59,30.21 J1#26.2 ; J1#19.2 138.59,66.77 138.24,67.12 136.86,67.12 135.63,68.35 133.12,68.35 130.78,66.01 v2(130.27,66.01) ; v2(91.67,102.57) 92.18,102.57 94.52,104.91 97.03,104.91 98.26,103.68 99.64,103.68 99.99,103.33 J1#13.2 ; v2(130.27,84.29) 130.78,84.29 133.12,86.63 135.63,86.63 136.86,85.4 138.24,85.4 138.59,85.05 J1#17.2